# Altium PCB back3_STM32F405.PcbDoc (part 2 of 4)
Units mil, origin at the board's own origin, x right, y up, seen from the top; angles counter-clockwise.
Board outline 3543.31 x 3543.31 mil, 4 copper layers (Top Layer, GND02, PWR03, Bottom Layer), stack 29.268 mil thick; 190 components, 150 nets, 1254 pads, 520 vias.
Unrouted connection lines stored in the file: 169.
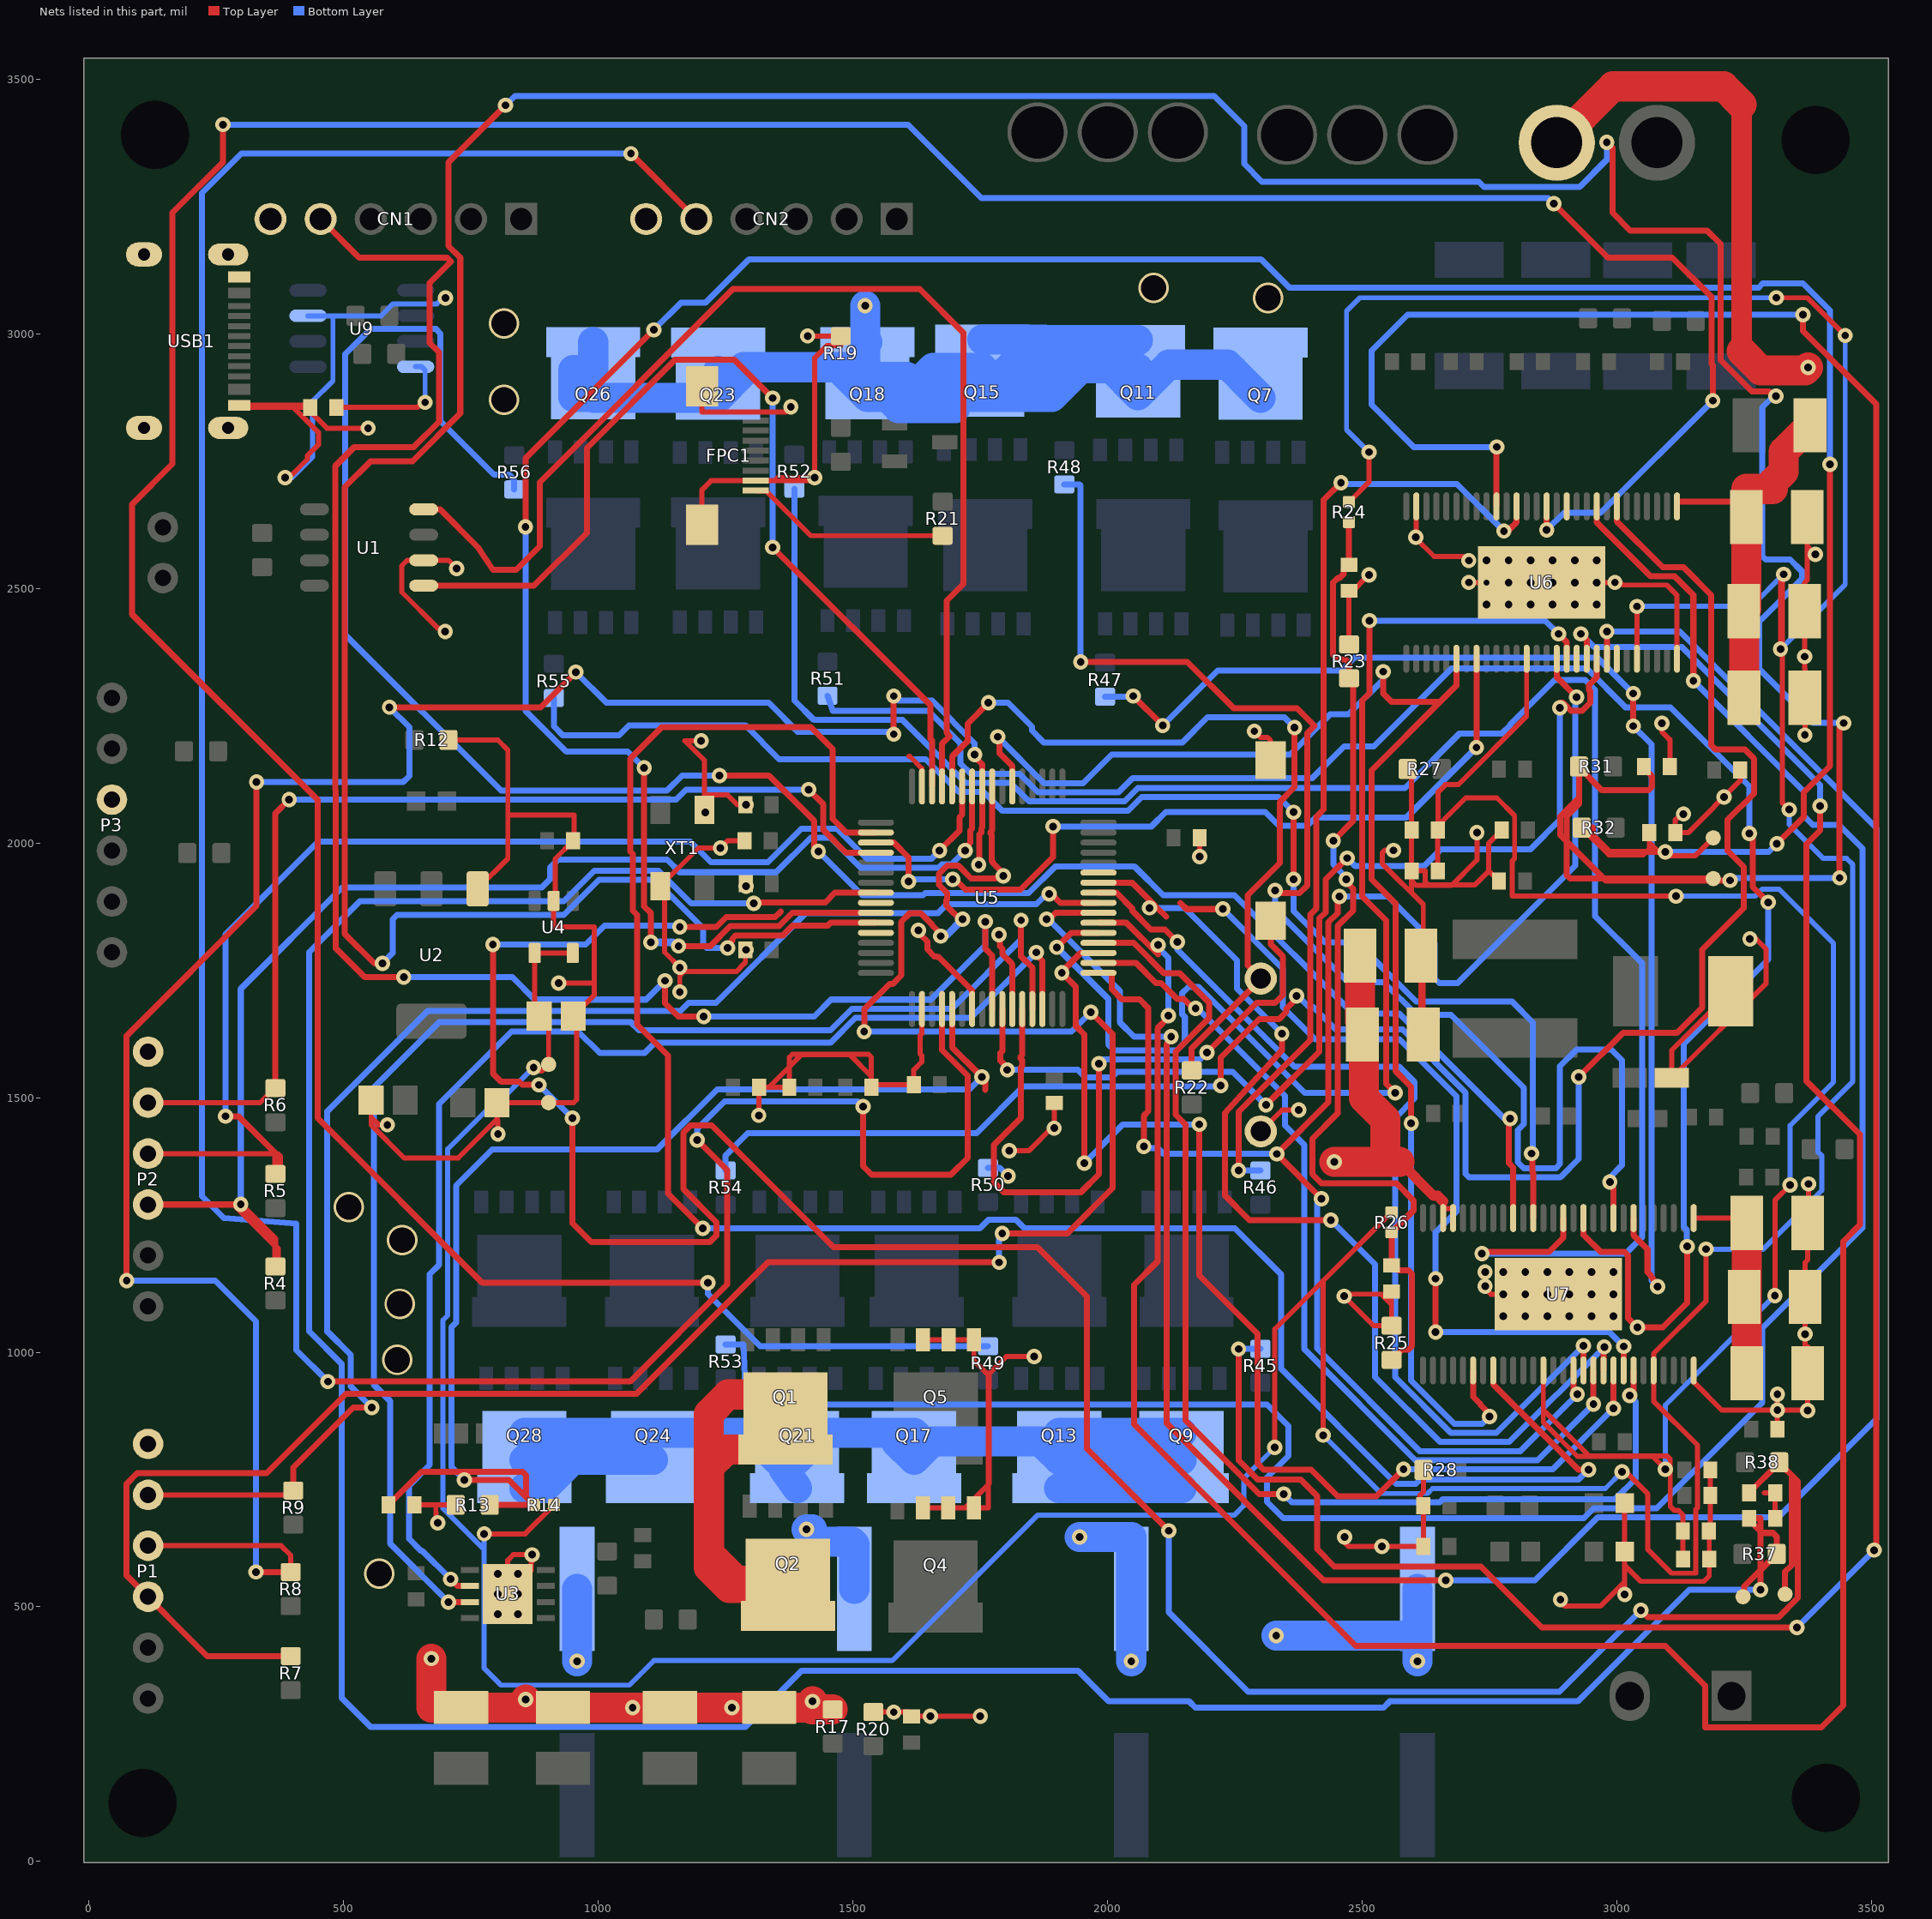
[diagram p4: the nets of this part, all layers, seen from the top]

## Via types
v1: diameter 30, hole 15, Top Layer to Bottom Layer, 458 vias
v2: diameter 27.56, hole 11.81, Top Layer to Bottom Layer, 42 vias
v3: diameter 60, hole 50, Top Layer to Bottom Layer, 18 vias
v4: diameter 30, hole 15, Top Layer to Bottom Layer, tented top, 1 vias
v5: diameter 60, hole 40, Top Layer to Bottom Layer, 1 vias

## Nets (pads, with @x,y where several pads share a name; then routed paths per layer and width w, separated by ;. In a path a pad name is that pad's centre, name@x,y a point inside that pad or via, vN(x,y) a via of type N, cw(c..) or ccw(c..) an arc to the next point about the centre after c; other vN are vias at no path point) (continued)
AGND: C1.1 C2.1 C3.1 C6.1 C7.1 C9.1 C12.1 C13.2 C14.1 C15.2 C17.1 C18.1 C19.1 C20.1 C21.1 C22.1 C23.1 C24.1 C25.1 C26.1 C27.1 C29.1 C30.1 C31.2 C32.2 C35.2 C37.2 C42.2 C44.1 C45.1 C47.1 C48.1 C49.2 C50.2 C52.1 C53.1 C54.1 C55.1 C56.1 C57.1 C58.1 C62.1 C63.1 C64.1 CN1.6 CN2.6 D3.A FPC1.2 FPC1.9 FPC1.10 P1.6 P2.6 P3.4 Q4.S Q5.S R12.1 R13.1 R19.1 R20.1 R23.1 R25.1 R27.2 R28.2 R34.1 R35.2 SW1.2 SW2.2 TP2.1 U1.2 U2.1 U3.9 U4.2 U5.12 U5.18 U5.63 U6.28 U6.55 U6.57 U7.28 U7.57 U9.3 USB1.1 USB1.12 USB1.13 USB1.14 XT1.G | length 15098.6
  Top Layer w10: v1(384.99,2717.39) 392.99,2717.39 428.99,2753.39 428.99,2760.39 450.99,2782.39 450.99,2805.39 401.38,2855 397.21,2859.17 USB1.12@295,2859.17 ; C1.1@434.41,2855 299.17,2855 USB1.12@295,2859.17 ; v1(547.99,2814.39) 466.99,2814.39 426.38,2855 422.21,2859.17 USB1.12@295,2859.17 ; C2.1@553.93,1495.01 553.93,1461.39 ; v1(585.93,1446.47) 568.85,1446.47 553.93,1461.39 ; C3.1@639.09,700.25 680.99,700.25 ; v1(685,665) 681.17,668.83 681.17,685.92 680.99,686.11 680.99,700.25 ; v1(699.42,2414.96) 694.01,2414.96 686.8,2422.17 684.21,2422.17 613.99,2492.39 613.99,2544 624.99,2555 U1.2@657.28,2555 705.82,2555 v1(721.82,2539) ; R12.1@705.86,2202.14 802.76,2202.14 822.39,2182.51 822.39,2055.01 ; R13.1@720.04,700.25 680.99,700.25 ; U2.1@762.94,1909.93 822.39,1969.38 822.39,2055.01 ; v1(802.99,1428.39) 802.99,1455.26 800.85,1457.39 ; U3.9@822.2,525.25 U3.9@822.2,525.39 ; v1(922.39,1725.01) 992.39,1725.01 ; v1(1159.99,1707.39) 1159.99,1739.39 1167.99,1747.39 1270.82,1747.39 1286.36,1762.93 1288.82,1765.39 C14.1@1288.82,1790 ; v1(1159.99,1755.39) 1130,1785.38 1130,1906.89 XT1.G@1121.69,1915.2 1196.49,1990 v1(1239.8,1990) 1254.24,2004.44 C13.2@1287.01,2004.44 ; v1(1201.99,2200.39) 1169.99,2200.39 1208.31,2162.07 1208.31,2094.34 ; FPC1.10@1203.46,2624.71 1203.46,2693.39 1221.32,2711.24 ; FPC1.9@1203.46,2896.35 1203.46,2846.4 1368,2846.4 v1(1377.99,2856.39) ; XT1.G@1208.31,2064.8 1208.31,2094.34 ; C15.2@1288.82,2075 1272.99,2075 1253.64,2094.34 1208.31,2094.34 ; v1(1315,1465) 1315.29,1465.29 1315.29,1519.7 C12.1@1315.59,1520 ; v1(1410.99,2995.39) 1410.99,2995.1 R19.1@1476.02,2995.1 1476.02,2976.39 1448.99,2976.39 1424.99,2952.39 v1(1424.99,2717.39) ; R20.1@1540,293.46 v1@1579.91,293.46 ; v1(1579.99,293.39) v1@1579.91,293.46 ; 1610,2170 1611.59,2170 1635.21,2146.38 1635.21,2111.21 U5.63@1635.55,2110.87 ; U5.18@1635.55,1673.86 1635.2,1673.51 1635.2,1625 1632.05,1621.85 1632.05,1585.17 1634.98,1582.23 1634.98,1569.98 1619.41,1554.41 C21.1@1619.41,1525 1541.18,1525 C19.1@1536.18,1520 C19.1@1536.18,1525 ; Q4.S@1637.2,694.34 Q4.S@1687.2,694.34 Q4.S@1737.2,694.34 1737.48,694.62 1766,694.62 1766,955.08 1737.48,983.6 Q5.S@1737.48,1024.34 Q5.S@1687.48,1024.34 Q5.S@1637.48,1024.34 ; Q4.S@1637.2,694.34 1719.99,694.39 1766.99,741.39 1766.99,957.39 1800.99,991.39 v1(1855.99,991.39) ; v1(1749.99,285.39) v1(1651.99,285.39) ; v1(1806.99,1395.39) 1845,1395.39 1895,1445.39 C22.1@1895,1489.41 v1(1895,1440) ; v1(2180.59,1973.27) C23.1@2180.59,2010 ; v1(2287.99,2219.39) 2299.94,2207.44 2313.63,2207.44 2320,2201.07 SW2.2@2320,2162.48 ; SW1.2@2300.59,1433.68 2342.3,1475.39 v1(2374.99,1475.39) ; v1(2464.99,637.39) v1@2464.99,626.84 ; C25.1@2473.93,2495.01 R23.1@2473.93,2390.01 2473.93,2487.33 v1(2512.99,2526.39) ; C27.1@2557.39,1119.42 2557.39,1093.99 ; v1(2560.99,1985.39) 2544.03,1985.39 2538.96,1980.32 2538.96,1959.42 2619.65,1878.73 ; R27.2@2588.93,2145.01 2596.8,2137.14 C30.1@2596.8,2025.01 C29.1@2596.8,1945.01 ; U6.55@2606.01,2660.78 2605.66,2660.44 2605.66,2600.66 v1(2605,2600) 2605,2598.4 2641.01,2562.39 2700.99,2562.39 v1(2708.99,2554.39) ; R28.2@2619.91,768.84 2619.91,725.58 2613.69,719.36 2613.69,705.06 C31.2@2619.91,698.84 C32.2@2619.91,618.84 v1(2538.37,618.84) 2472.99,618.84 ; C24.1@2619.91,1783.84 C24.1@2614.91,1778.84 2614.91,1628.58 C26.1@2619.65,1623.84 ; v1(2708.99,2511.39) 2708.99,2511.18 v2(2743.81,2511.18) v1(2787.11,2511.18) v1(2830.42,2511.18) U6.57@2852.07,2511.18 v1(2873.73,2511.18) v1(2917.03,2511.18) v1(2960.34,2511.18) 2995.77,2511.18 v1(2995.99,2511.39) ; v1(2725,2020) 2725,1966.4 2674.99,1916.39 2629.64,1916.39 2605.8,1916.39 2596.8,1925.39 ; v1(2740.99,1157.39) v1(2740.99,1129.39) 2740.99,1125.39 2752.53,1113.84 v1(2776.64,1113.84) v1(2819.95,1113.84) v1(2863.25,1113.84) U7.57@2884.91,1113.84 ; C35.2@2768.34,1925.01 2748.33,1945.01 ; C37.2@2773.93,2025.01 2748.33,1999.42 2748.33,1945.01 ; v1(2888.99,514.39) 2888.99,509.39 2896.99,501.39 2967.22,501.39 3015.22,549.39 ; v1@2995.8,2506.2 2997.16,2507.56 3010.67,2507.56 3011.85,2506.39 3097.63,2506.39 3108.63,2495.39 3108.82,2495.39 3117.82,2486.39 3117.82,2486.2 U6.28@3117.82,2361.57 ; v1@3014.91,523.84 v1(3015.22,524.16) R34.1@3015.22,608.84 ; R35.2@3015.22,703.84 R34.1@3015.22,608.84 ; v1(3087.93,2234.75) 3087.93,2218.75 3103.93,2202.75 C44.1@3103.93,2150.01 ; v1(3130.52,2056.74) 3125.87,2056.74 3114.52,2045.39 C45.1@3114.52,2020.01 3139.61,2020.01 3242.04,2122.44 C52.1@3242.04,2143.12 3242.04,2122.38 v1(3210.04,2090.38) ; U7.28@3150.65,964.24 3150.65,941.3 3205.57,886.39 v1@3314.91,886.39 ; C50.2@3183.21,768.84 C49.2@3183.21,718.84 3183.21,651.56 C47.1@3180.5,648.84 3181.09,648.25 C48.1@3181.09,593.84 3181.09,560.51 3170.69,550.11 3046.5,550.11 3015.22,581.39 R34.1@3015.22,608.84 ; C42.2@3223.41,1708.85 3107.58,1593.02 D3.A@3107.58,1538.84 3292.99,1724.25 3292.99,1791.39 3272.99,1811.39 v1(3260.99,1811.39) ; 3288.99,723.84 C63.1@3310.5,723.84 3318.37,723.84 3310.5,715.97 C62.1@3310.5,673.84 ; C64.1@3314.91,848.84 v1@3314.91,886.39 ; v1(3314.91,917.58) v1@3314.91,886.39 ; v1(3368.93,2211.86) C54.1@3368.93,2285.01 3368.93,2340.87 3368.41,2341.39 v1(3368.41,2365.86) C53.1@3368.41,2455.01 3368.41,2511.39 3373.41,2516.39 3373.41,2582.86 ; C56.1@3373.41,2640.01 3373.41,2582.86 ; v1(3374.39,885.69) v1@3374.39,899.79 ; v1(3375.93,1330.42) 3375.93,1255.39 C57.1@3374.39,1253.84 3374.39,1181.39 3369.39,1176.39 C55.1@3369.39,1108.84 v1(3369.39,1035.69) 3369.39,1011.39 3374.39,1011.39 C58.1@3374.39,958.84 v1@3374.39,899.79 ; v1(3389.41,2566.86) 3373.41,2582.86 ; 553.93,1461.39 553.93,1446.39 618.93,1381.39 724.85,1381.39 800.85,1457.39 ; 800.85,1457.39 C6.1@800.85,1490.01 TP2.1@902.39,1490.01 951.53,1490.01 957.39,1495.87 957.39,1653.48 C7.1@950.86,1660.01 992.39,1701.55 992.39,1725.01 ; U3.9@822.2,525.39 867.99,571.18 867.99,589.39 869.99,589.39 v1(869.99,602.39) 832.99,602.39 822.2,591.6 U3.9@822.2,525.39 ; 822.39,2055.01 952.39,2055.01 952.39,2005.96 C9.1@950.53,2004.1 915.35,1968.92 915.35,1889.15 U4.2@912.39,1886.19 912.39,1835.01 992.39,1835.01 992.39,1725.01 ; 1221.32,2711.24 1221.46,2711.39 1346.14,2711.39 1418.99,2711.39 v1(1424.99,2717.39) ; 1221.32,2711.24 FPC1.2@1308.91,2711.24 1345.99,2711.24 1352.14,2717.39 v1(1424.99,2717.39) ; C12.1@1315.59,1520 1334.6,1520 ; C12.1@1315.59,1520 1334.6,1520 ; 1334.6,1520 1375,1560.4 ; 1334.6,1520 C18.1@1375,1520 1375,1560.4 ; 1375,1560.4 1375,1579.14 1380.86,1585 1398.99,1585 1493.18,1585 1530.32,1585 1536.18,1579.14 1536.18,1541.39 ; 1375,1560.4 1398.99,1584.39 1493.18,1584.39 1536.18,1541.39 ; C19.1@1536.18,1525 1536.18,1541.39 ; C19.1@1536.18,1525 1536.18,1541.39 ; v1@1579.91,293.46 1579.99,293.46 C20.1@1607.93,293.46 ; C20.1@1607.93,293.46 1610.99,293.46 1619.06,285.39 v1(1651.99,285.39) ; C20.1@1607.93,293.46 1615,286.39 C20.1@1615,285 1651.6,285 v1(1651.99,285.39) ; v1@2464.99,626.84 2470.26,621.57 2472.99,618.84 ; v1@2464.99,626.84 2472.99,618.84 ; 2557.39,1093.99 2537.33,1114.05 2469.46,1114.05 2465.41,1110 2460,1110 v1(2464.38,1110) 2522.44,1051.94 R25.1@2557.39,1051.94 2557.39,1093.99 ; 2596.8,1925.39 2596.8,1902.39 2619.65,1879.54 2619.65,1878.73 ; 2596.8,1925.39 C29.1@2596.8,1945.01 ; C29.1@2596.8,1945.01 2623.2,1945.01 2623.2,1923.72 2629.64,1917.28 2674.99,1917.28 2720.6,1917.28 2748.33,1945.01 ; C26.1@2619.65,1623.84 2619.65,1878.73 ; C26.1@2619.65,1623.84 2619.65,1878.73 ; v1@3314.91,886.39 v1(3314.99,886.39) 3360.99,886.39 3367.34,892.74 v1@3374.39,899.79
  Bottom Layer w10: v1(384.99,2717.39) 398.99,2717.39 438.99,2757.39 438.99,2867.39 478.99,2907.39 478.99,3035 ; v1(700,3070) 694.59,3070 682.99,3058.4 596.99,3058.4 573.58,3035 478.99,3035 ; 478.99,3035 U9.3@430,3035 478.99,3035
  other v1: 802.52,485.88 841.89,485.88 802.52,525.25 841.89,525.25 802.52,564.62 841.89,564.62 2464.99,637.39 2776.64,1070.54 2819.95,1070.54 2863.25,1070.54 2906.56,1070.54 2949.87,1070.54 2993.17,1070.54 2906.56,1113.84 2949.87,1113.84 2993.17,1113.84 2776.64,1157.15 2819.95,1157.15 2863.25,1157.15 2906.56,1157.15 2949.87,1157.15 2993.17,1157.15 1290,1790 1290,1915 1210,2060 1290,2075 2743.81,2467.87 2787.11,2467.87 2830.42,2467.87 2873.73,2467.87 2917.03,2467.87 2960.34,2467.87 2743.81,2554.48 2787.11,2554.48 2830.42,2554.48 2873.73,2554.48 2917.03,2554.48 2960.34,2554.48
  other v2: 802.52,485.88 841.89,485.88 802.52,525.25 841.89,525.25 802.52,564.62 841.89,564.62 2776.64,1070.54 2819.95,1070.54 2863.25,1070.54 2906.56,1070.54 2949.87,1070.54 2993.17,1070.54 2776.64,1113.84 2819.95,1113.84 2863.25,1113.84 2906.56,1113.84 2949.87,1113.84 2993.17,1113.84 2776.64,1157.15 2819.95,1157.15 2863.25,1157.15 2906.56,1157.15 2949.87,1157.15 2993.17,1157.15 2743.81,2467.87 2787.11,2467.87 2830.42,2467.87 2873.73,2467.87 2917.03,2467.87 2960.34,2467.87 2787.11,2511.18 2830.42,2511.18 2873.73,2511.18 2917.03,2511.18 2960.34,2511.18 2743.81,2554.48 2787.11,2554.48 2830.42,2554.48 2873.73,2554.48 2917.03,2554.48 2960.34,2554.48
AUX_H_1: U3.2 U5.30 | length 2483.3
  Top Layer w11.81: v1(709.99,554.39) 723.38,541 U3.2@747.59,541 ; v1(1860,1785) 1860,1780.08 1871.77,1768.31 U5.30@1871.77,1673.86
  Bottom Layer w11.81: v1(709.99,554.39) 653.99,610.39 651.52,610.39 628.38,633.54 628.38,737.78 668.99,778.39 668.99,1153.39 686.99,1171.39 686.99,1487.39 829.6,1630 960.38,1630 1002.99,1587.39 1090.99,1587.39 1110.99,1607.39 1456.08,1607.39 1504.99,1656.3 1731.3,1656.3 v1(1860,1785)
AUX_L_1: U3.3 U5.29 | length 2737.8
  Top Layer w11.81: v1(705.88,509.5) U3.3@747.59,509.5 ; v1(1830,1848.09) 1830,1776.95 1852.09,1754.86 U5.29@1852.09,1673.86
  Bottom Layer w11.81: v1(705.88,509.5) 590.99,624.39 590.99,904.39 558.99,936.39 558.99,1519.39 687.41,1647.81 1064.04,1647.81 1079.36,1632.48 1455.99,1632.48 1497.89,1674.39 1693.99,1674.39 1830,1810.4 v1(1830,1848.09)
AUX_TEMP_1: C3.2 R13.2 R14.1 U5.21 | length 2502.1
  Top Layer w11.81: C3.2@587.91,700.25 652.91,765.25 851.58,765.25 858.5,758.33 858.5,715.56 ; v1(736.99,749.39) 824.67,749.39 858.5,715.56 ; R13.2@786.97,700.25 R14.1@873.82,700.25 858.5,715.56 ; U5.21@1694.61,1673.86 1694.61,1598.77 1748.38,1545 1752.99,1545 1760,1545 v1@1760,1533.38 ; v1(1752.99,1540.39) v1@1760,1533.38 ; 1760,1515 v1@1760,1533.38
  Bottom Layer w11.81: v1(736.99,749.39) 712.08,774.3 712.08,1049.39 721.18,1058.48 721.18,1327.58 791.99,1398.39 1115.42,1398.39 1233.33,1516.3 1728.9,1516.3 v1(1752.99,1540.39)
AVCC: C7.2 R14.2 R24.2 R26.2 TP1.1 U4.4 U4.5 U6.24 U7.24 | length 10399.1
  Top Layer w10: v1(775.99,643.39) 856.33,643.39 R14.2@913.19,700.25 ; v1(872.95,1559.21) 878.37,1559.21 885.56,1552.01 889.39,1552.01 TP1.1@902.39,1565.01 902.39,1641.55 C7.2@883.93,1660.01 874.99,1668.95 U4.4@874.99,1783.83 U4.5@949.79,1783.83 ; v1(2327.99,813.11) 2327.99,1045.3 2422.99,1140.3 ; v1(2422.99,836.98) 2422.99,1140.3 ; R24.2@2473.93,2669.38 2512.99,2708.44 v1(2512.99,2767.39) ; R26.2@2557.39,1274.7 2422.99,1140.3 ; v1(3009.99,765.39) 3016.99,765.39 3059.99,722.39 3059.99,613.39 3107.27,566.11 3154.99,566.11 3154.99,691.39 3157.99,694.39 3157.99,817.51 3071.91,903.58 U7.24@3071.91,964.24 3071.91,997.39 3174.99,1100.46 v1(3174.99,1202.39) ; U6.24@3039.08,2361.57 v1(3039.08,2464.39) ; v1(3312.99,3070.39) 3373.99,3070.39 v1(3447.99,2996.39) ; v1(3320.99,2380.39) 3320.99,2521.39 v1@3324.99,2525.39 ; v1(3326.99,2527.39) v1@3324.99,2525.39 ; v1(3337.99,2065.39) 3324.99,2078.39 v1@3324.99,2525.39
  Bottom Layer w10: v1(775.99,643.39) 775.99,612.39 ; v1(872.95,1559.21) 790.88,1477.14 782.51,1477.14 704.27,1398.89 704.27,1072.15 695.18,1063.06 695.18,693.2 775.99,612.39 ; v1(2327.99,813.11) 2267.18,752.3 2267.18,698.58 2248.99,680.39 1862.99,680.39 1576.99,394.39 1108.99,394.39 1060.99,346.39 808.99,346.39 775.99,379.39 775.99,612.39 ; v1(2422.99,836.98) 2537.38,722.59 2627.92,722.59 2637.72,732.39 2976.99,732.39 v1(3009.99,765.39) ; v1(2512.99,2767.39) 2468.99,2811.39 2468.99,3044.39 2494.99,3070.39 v1(3312.99,3070.39) ; v1(3039.08,2464.39) 3263.99,2464.39 v1(3326.99,2527.39) ; v1(3174.99,1202.39) 3286.99,1202.39 3401.93,1317.33 3401.93,1386.29 3394.39,1393.83 3394.39,1462.79 3462.99,1531.39 3462.99,1957.39 3450.99,1969.39 3405,1969.39 3337.99,2036.4 v1(3337.99,2065.39) ; v1(3320.99,2380.39) 3447.99,2507.39 v1(3447.99,2996.39)
BOOT0_1: R22.1 SW1.1 U5.60 | length 1638.2
  Top Layer w11.81: U5.60@1694.61,2110.87 1694.61,2169.61 1725,2200 1725,2234.4 v1(1765.99,2275.39) ; R22.1@2165,1553.46 2165,1596.54 2300.59,1732.13 SW1.1@2300.59,1733.68 2274.99,1759.28 2274.99,1897.39 2337.99,1960.39 2337.99,2080.39 2366.99,2109.39 v1(2366.99,2226.39)
  Bottom Layer w11.81: v1(1765.99,2275.39) 1804.18,2275.39 1851.34,2228.23 1851.34,2220.61 1874.56,2197.39 2146.99,2197.39 2195.99,2246.39 2346.99,2246.39 v1(2366.99,2226.39)
CAN_D_1: U1.1 U5.62 | length 1889.3
  Top Layer w11.81: U1.1@657.28,2505 873.6,2505 977.49,2608.89 977.49,2775.41 1150.47,2948.39 1266.99,2948.39 v1(1341.99,2873.39) ; v1(1341.99,2580.39) 1651.73,2270.65 1651.73,2204.38 1655.24,2200.88 U5.62@1655.24,2110.87
  Bottom Layer w11.81: v1(1341.99,2580.39) v1(1341.99,2873.39)
CAN_R_1: U1.4 U5.61 | length 2364.7
  Top Layer w11.81: U1.4@657.28,2655 689.38,2655 763.99,2580.39 792.99,2536.39 838.99,2536.39 884.99,2582.39 884.99,2708.1 1264.28,3087.39 1630.99,3087.39 1716.99,3001.39 1716.99,2508.39 1683.99,2475.39 1683.99,2216.01 1690,2210 1674.92,2194.92 U5.61@1674.92,2110.87
DCBUS: C5.2 C8.1 C11.2 C16.2 C24.2 C26.2 C53.2 C54.2 C55.2 C56.2 C57.2 C58.2 C59.2 C65.1 C66.1 C67.1 C68.1 P6.1 Q1.D Q2.D Q7.D Q9.D Q11.D Q13.D Q15.D Q17.D Q18.D Q21.D Q23.D Q24.D Q26.D Q28.D R17.2 U6.29 U7.29 U7.53 U7.54 | length 12816.5
  Top Layer w10: U7.54@2658.53,1263.45 U7.54@2658.53,1288.53 ; 2658.61,1296.32 2658.53,1296.24 U7.54@2658.53,1288.53 ; U7.53@2678.21,1263.45 2678.21,1280.92 2677.38,1281.76 2665.3,1281.76 U7.54@2658.53,1288.53 ; U7.29@3150.65,1263.45 3245.3,1263.45 C57.2@3254.91,1253.84
  Top Layer w12: U6.29@3117.82,2660.78 3117.82,2669.91 3117.92,2670 3227.74,2670 3253.93,2643.81 C56.2@3253.93,2640.01
  Top Layer w20: 2573.21,1373.84 2640.05,1307.01 2647.92,1307.01 2658.61,1296.32
  Top Layer w40: 3244.65,2965.35 3244.65,3449.73
  Top Layer w59.06: v1(671.96,398.4) 671.96,302.4 C5.2@730.58,302.4 872.42,302.4 ; v1(857.43,318.4) 857.43,317.39 872.42,302.4 ; Q1.D@1367.48,808.79 Q1.D@1312.36,808.79 ; Q1.D@1367.48,863.91 Q1.D@1312.36,808.79 ; Q1.D@1367.48,917.06 1254.99,917.06 1216.99,879.06 1216.99,577.1 1256.99,537.1 Q2.D@1364.99,537.1 ; Q2.D@1372.2,481.98 Q2.D@1372.2,537.1 ; Q2.D@1372.2,590.25 1364.99,590.25 Q2.D@1364.99,537.1 ; v1(1420.31,314.46) 1420.31,309.39 1431.24,298.46 ; R17.2@1460,298.46 1431.24,298.46 ; v1(2444.91,1373.84) 2544.91,1373.84 ; C24.2@2495.43,1778.84 2495.43,1649.55 2497.51,1647.46 2497.51,1626.5 C26.2@2500.17,1623.84 2502.83,1621.19 2502.83,1499.44 2544.91,1457.36 2544.91,1373.84 ; 2573.21,1373.84 2544.91,1373.84 ; P6.1@2881.58,3375 2991.97,3485.39 3208.99,3485.39 3244.65,3449.73 ; 3244.65,2965.35 3282.14,2927.86 3369.46,2927.86 v1(3374.99,2933.39) ; C54.2@3249.45,2285.01 3249.45,2454.49 C53.2@3248.93,2455.01 3253.93,2460.01 C56.2@3253.93,2640.01 3253.93,2665.01 3253.93,2695.01 3305.69,2695.01 3305.69,2707.88 3327.16,2729.34 3327.16,2768.24 C59.2@3378.93,2820.01 ; C58.2@3254.91,958.84 3254.91,1103.84 C55.2@3249.91,1108.84 3254.91,1113.84 C57.2@3254.91,1253.84 ; 872.42,302.4 C8.1@930.58,302.4 v1(1067.43,302.4) C11.2@1140.58,302.4 v1(1262.43,302.4) C16.2@1335.58,302.4 1416.05,302.4 1419.99,298.46 1431.24,298.46 ; Q1.D@1312.36,808.79 1251.8,808.79 1217.2,774.2 1217.2,605.25 1271.57,550.88 1358.42,550.88 Q2.D@1372.2,537.1 ; Q2.D@1364.99,537.1 Q2.D@1372.2,537.1
  Bottom Layer w59.06: Q28.D@855,733.42 893.99,733.42 949.11,788.54 ; Q28.D@855,841.69 994.99,841.69 1002.25,841.69 ; v1(958.33,393.41) C68.1@958.33,535.46 ; 967.99,788.54 1021.14,841.69 ; Q26.D@990,2983.62 Q26.D@990,2928.51 950.99,2928.51 950.99,2875.36 Q26.D@990,2875.36 991.54,2873.82 Q23.D@1235,2873.82 1285.28,2924.1 1237.87,2924.1 Q23.D@1235,2926.97 ; Q24.D@1107.65,788.54 Q28.D@855,788.54 949.11,788.54 ; Q23.D@1285.28,2934.1 Q18.D@1469.59,2934.1 ; Q21.D@1390.28,733.42 1364.38,770.41 1362.99,772.39 1362.99,788.54 Q21.D@1362.99,841.69 ; v1@1420,652.39 v1(1408.99,652.39) 1433.4,627.98 1497.69,627.98 1502.61,623.06 C67.1@1502.61,535.46 ; Q21.D@1425.22,823.49 Q21.D@1390.28,788.54 1350.91,788.54 1297.76,841.69 ; Q18.D@1523.61,2928.51 Q18.D@1523.61,2933.23 ; v1(1523.78,3054.73) Q18.D@1523.78,2983.62 ; Q18.D@1528.33,2983.62 1526.06,2983.62 Q18.D@1523.78,2983.62 ; Q17.D@1584.78,823.49 Q17.D@1619.72,788.54 Q17.D@1646.3,815.12 ; Q15.D@1750,2904.1 Q15.D@1750,2932.17 ; Q15.D@1753.78,2932.88 Q15.D@1750.71,2932.88 ; Q15.D@1753.78,2987.99 1875.99,2987.99 1876.89,2987.09 ; Q13.D@1905,733.42 Q9.D@2064.99,733.42 ; v1(1944.99,637.39) 2046.43,637.39 C66.1@2046.43,535.46 v1(2046.43,393.41) ; Q11.D@2059.73,2931.97 1946.99,2931.97 1890.37,2875.36 Q15.D@1748.95,2875.36 ; Q11.D@2059.73,2987.09 1876.89,2987.09 ; Q9.D@2145,733.42 Q9.D@2064.99,733.42 ; Q9.D@2145,788.54 2064.99,788.54 Q13.D@1905,788.54 Q13.D@1878.43,815.12 ; Q9.D@2145,841.69 Q9.D@2064.99,841.69 ; Q7.D@2300,2874.09 2273.43,2900.67 2245.87,2928.23 2235,2939.1 2120,2939.1 Q11.D@2059.73,2878.82 2004.45,2934.1 1808.15,2934.1 1807.91,2933.86 1780.35,2906.3 Q15.D@1753.78,2879.73 1714.41,2879.73 1700.63,2865.95 1700.63,2854.04 1589.02,2854.04 Q18.D@1567.7,2875.36 ; v1(2330.99,443.39) 2608.33,443.39 C65.1@2608.33,535.46 v1(2608.33,393.41) ; 949.11,788.54 1002.25,841.69 ; 1002.25,841.69 1021.14,841.69 ; 1021.14,841.69 Q24.D@1107.65,841.69 1297.76,841.69 ; 1297.76,841.69 1324.33,841.69 Q21.D@1362.99,841.69 ; Q21.D@1362.99,841.69 Q17.D@1619.72,841.69 Q17.D@1646.3,815.12 ; Q18.D@1469.59,2934.1 Q18.D@1528.33,2875.36 Q18.D@1567.7,2875.36 ; Q18.D@1469.59,2934.1 1522.74,2934.1 Q18.D@1523.61,2933.23 ; Q18.D@1523.61,2933.23 1523.61,2983.62 Q18.D@1523.78,2983.62 ; Q18.D@1523.61,2933.23 Q18.D@1528.33,2928.51 1542.11,2914.73 1605.45,2914.73 1616.08,2904.1 1714.41,2904.1 1714.41,2932.39 1750,2932.39 Q15.D@1750,2932.17 ; Q18.D@1567.7,2875.36 Q15.D@1748.95,2875.36 ; Q18.D@1567.7,2875.36 1624.99,2875.36 1640.99,2891.36 1640.99,2916.88 1656.99,2932.88 Q15.D@1750.71,2932.88 ; Q17.D@1646.3,815.12 1656.03,824.85 1868.69,824.85 Q13.D@1878.43,815.12 ; Q15.D@1748.95,2875.36 1860.69,2987.09 1876.89,2987.09 ; Q15.D@1750,2932.17 Q15.D@1750.71,2932.88 ; Q13.D@1878.43,815.12 Q13.D@1905,841.69 2032.99,841.69 Q9.D@2064.99,841.69 ; Q9.D@2064.99,733.42 Q9.D@2064.99,841.69
  other v1: 1408.99,652.39
  other v3: 570,565 605,985 610,1095 615,1220 510,1285 815,2870 815,3020 2315,3070 2090,3090
EN_GATE_1: U5.33 U6.16 U7.16 | length 3450.8
  Top Layer w11.81: U5.33@1982.01,1744.73 2008.03,1744.73 2008.03,1712.84 2027.92,1692.94 2062.54,1692.94 2079.89,1675.59 2079.89,1473.25 2070.89,1464.25 v1(2070.89,1403.85) ; v1(2419.99,1301.39) v1(2331.99,1389.39) 2433.53,1490.93 2433.53,1844.3 2451.51,1862.28 2451.51,1891.61 v1(2454.89,1895) ; U6.16@2881.6,2361.57 2881.6,2325.43 v1(2920.54,2286.48) ; U7.16@2914.43,964.24 2914.43,924.94 v1(2921.99,917.39)